# KiCad board alu_c.kicad_pcb (continued)
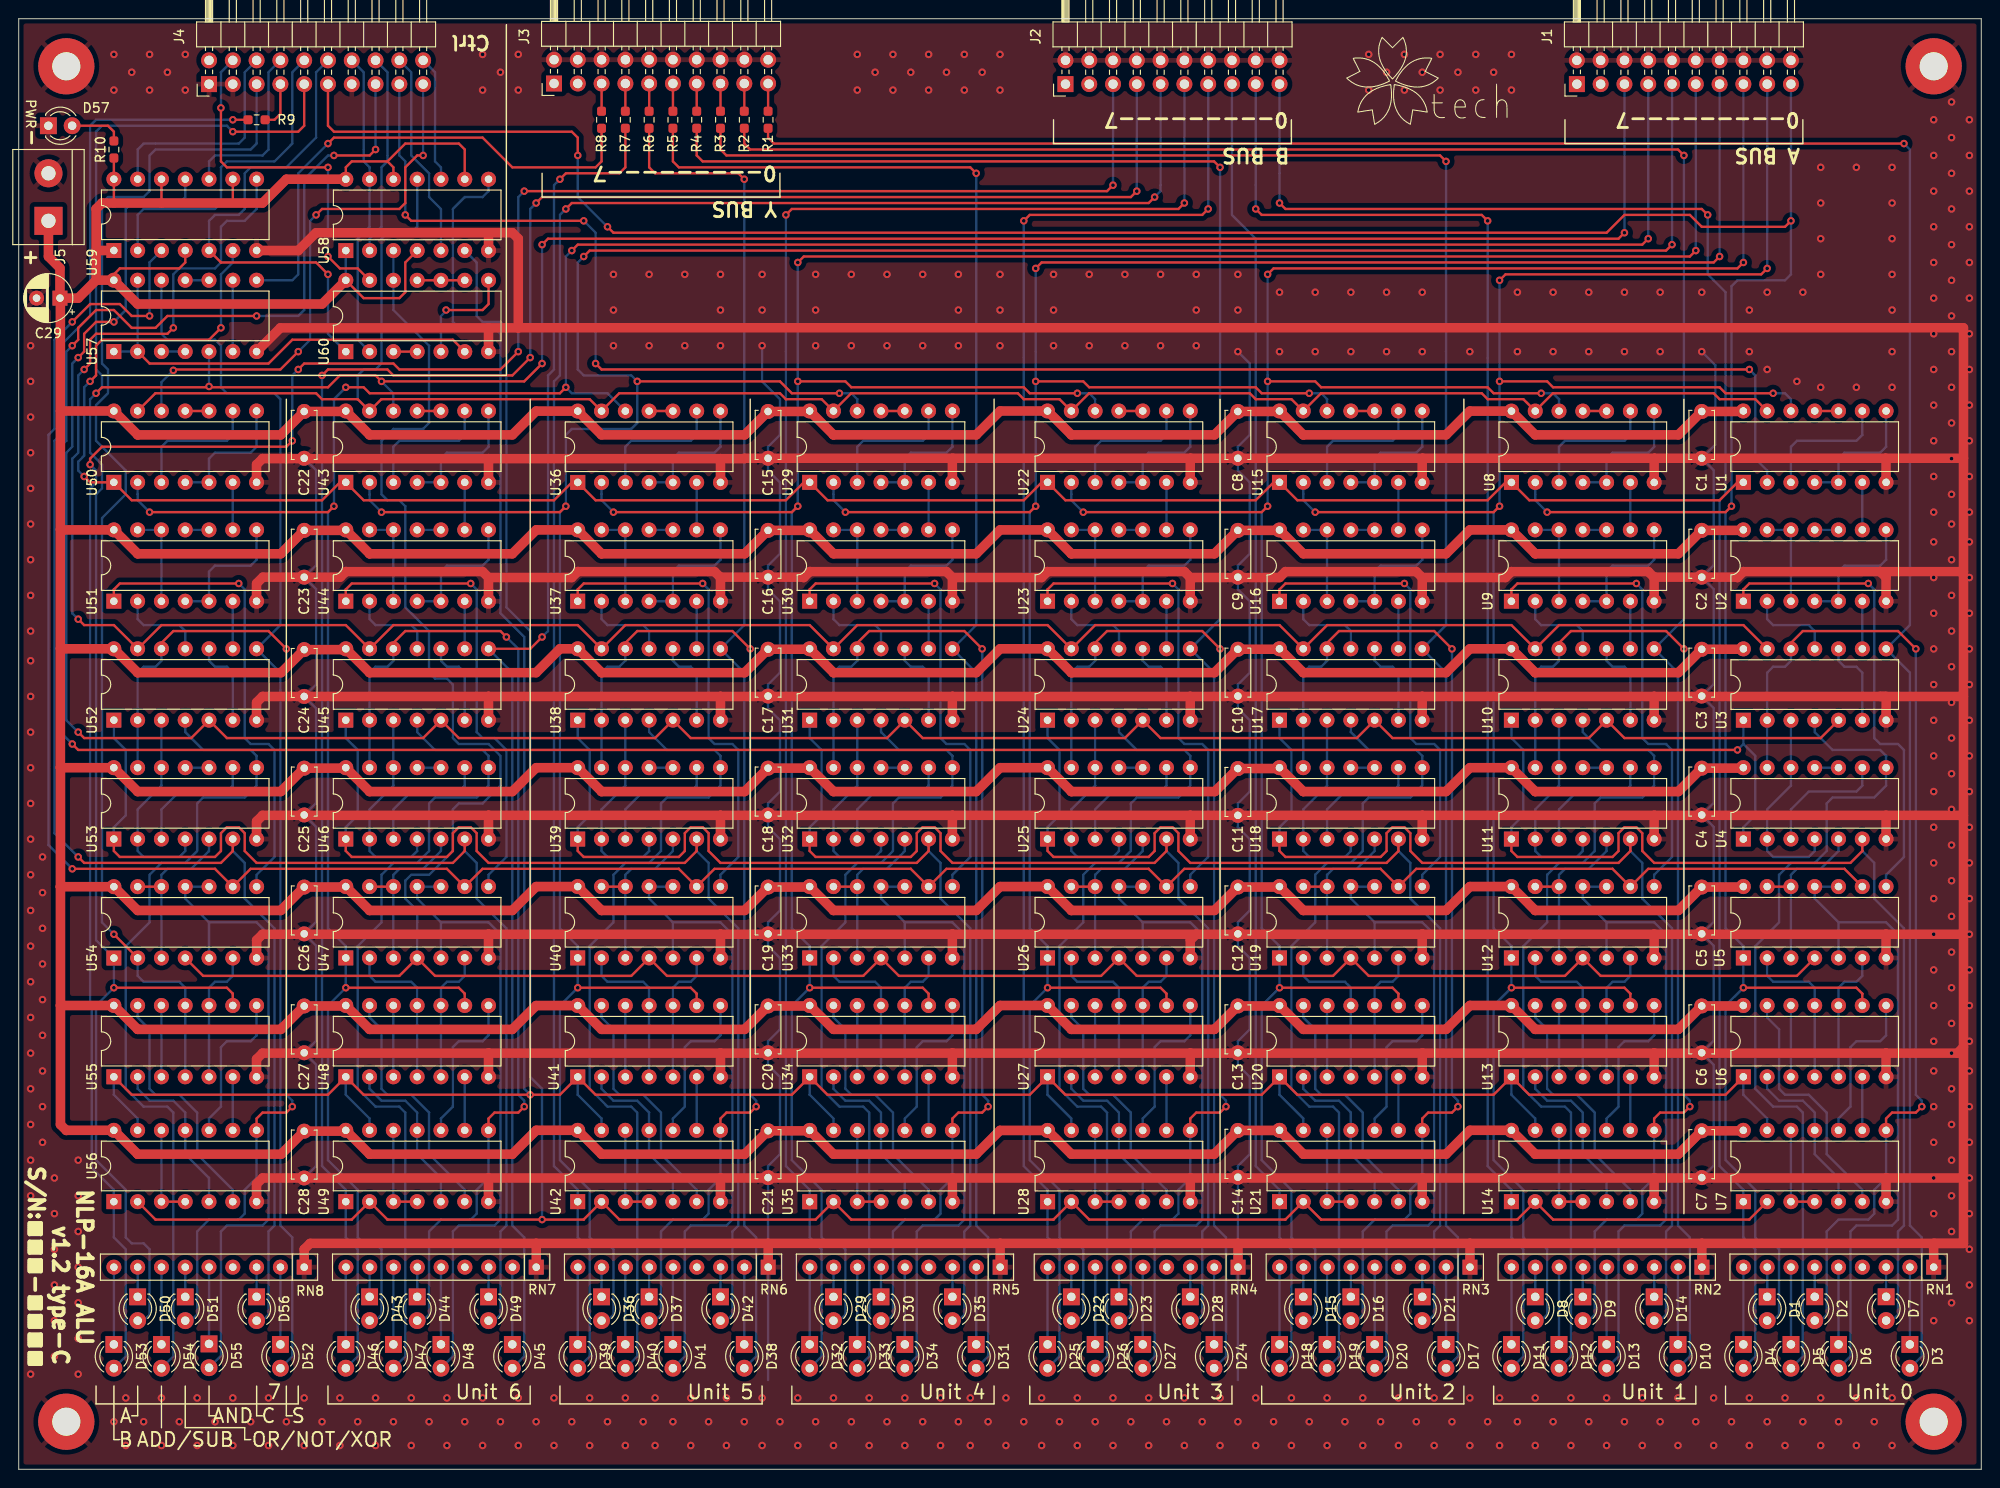
[diagram p0: board, top side]
## Nets (continued)
Net-(U20-Pad6): U20.6 U21.9
Net-(U20-Pad8): U20.8 U21.10
Net-(U20-Pad12): U20.3 U20.12
Net-(U20-Pad13): U20.13 U21.6
Net-(U21-Pad12): U21.3 U21.4 U21.12
Net-(U22-Pad3): U22.3 U22.9
Net-(U22-Pad4): U22.4 U22.5 U22.8
Net-(U22-Pad6): U22.6 U23.9
Net-(U22-Pad10): U22.10 U22.11
Net-(U23-Pad1): U23.1 U26.8
Net-(U23-Pad2): U23.2 U24.11
Net-(U23-Pad4): U23.4 U23.5 U23.8
Net-(U23-Pad6): U23.6 U24.9
Net-(U23-Pad10): U23.10 U23.11
Net-(U23-Pad12): U23.3 U23.12 U23.13
Net-(U24-Pad3): U24.3 U25.2 U25.4 U25.12
Net-(U24-Pad10): U24.6 U24.10
Net-(U25-Pad3): U25.3 U25.9
Net-(U25-Pad5): U25.5 U26.3 U26.12 U26.13
Net-(U25-Pad10): U25.10 U25.11
Net-(U26-Pad6): U26.6 U27.5 U27.10
Net-(U27-Pad2): U27.2 U28.5 U28.11
Net-(U27-Pad6): U27.6 U28.9
Net-(U27-Pad8): U27.8 U28.10
Net-(U27-Pad12): U27.3 U27.12
Net-(U27-Pad13): U27.13 U28.6
Net-(U28-Pad12): U28.3 U28.4 U28.12
Net-(U29-Pad3): U29.3 U29.9
Net-(U29-Pad4): U29.4 U29.5 U29.8
Net-(U29-Pad6): U29.6 U30.9
Net-(U29-Pad10): U29.10 U29.11
Net-(U30-Pad1): U30.1 U33.8
Net-(U30-Pad2): U30.2 U31.11
Net-(U30-Pad4): U30.4 U30.5 U30.8
Net-(U30-Pad6): U30.6 U31.9
Net-(U30-Pad10): U30.10 U30.11
Net-(U30-Pad12): U30.3 U30.12 U30.13
Net-(U31-Pad3): U31.3 U32.2 U32.4 U32.12
Net-(U31-Pad10): U31.6 U31.10
Net-(U32-Pad3): U32.3 U32.9
Net-(U32-Pad5): U32.5 U33.3 U33.12 U33.13
Net-(U32-Pad10): U32.10 U32.11
Net-(U33-Pad6): U33.6 U34.5 U34.10
Net-(U34-Pad2): U34.2 U35.5 U35.11
Net-(U34-Pad6): U34.6 U35.9
Net-(U34-Pad8): U34.8 U35.10
Net-(U34-Pad12): U34.3 U34.12
Net-(U34-Pad13): U34.13 U35.6
Net-(U35-Pad12): U35.3 U35.4 U35.12
Net-(U36-Pad3): U36.3 U36.9
Net-(U36-Pad4): U36.4 U36.5 U36.8
Net-(U36-Pad6): U36.6 U37.9
Net-(U36-Pad10): U36.10 U36.11
Net-(U37-Pad1): U37.1 U40.8
Net-(U37-Pad2): U37.2 U38.11
Net-(U37-Pad4): U37.4 U37.5 U37.8
Net-(U37-Pad6): U37.6 U38.9
Net-(U37-Pad10): U37.10 U37.11
Net-(U37-Pad12): U37.3 U37.12 U37.13
Net-(U38-Pad3): U38.3 U39.2 U39.4 U39.12
Net-(U38-Pad10): U38.6 U38.10
Net-(U39-Pad3): U39.3 U39.9
Net-(U39-Pad5): U39.5 U40.3 U40.12 U40.13
Net-(U39-Pad10): U39.10 U39.11
Net-(U40-Pad6): U40.6 U41.5 U41.10
Net-(U41-Pad2): U41.2 U42.5 U42.11
Net-(U41-Pad6): U41.6 U42.9
Net-(U41-Pad8): U41.8 U42.10
Net-(U41-Pad12): U41.3 U41.12
Net-(U41-Pad13): U41.13 U42.6
Net-(U42-Pad12): U42.3 U42.4 U42.12
Net-(U43-Pad3): U43.3 U43.9
Net-(U43-Pad4): U43.4 U43.5 U43.8
Net-(U43-Pad6): U43.6 U44.9
Net-(U43-Pad10): U43.10 U43.11
Net-(U44-Pad1): U44.1 U47.8
Net-(U44-Pad2): U44.2 U45.11
Net-(U44-Pad4): U44.4 U44.5 U44.8
Net-(U44-Pad6): U44.6 U45.9
Net-(U44-Pad10): U44.10 U44.11
Net-(U44-Pad12): U44.3 U44.12 U44.13
Net-(U45-Pad3): U45.3 U46.2 U46.4 U46.12
Net-(U45-Pad10): U45.6 U45.10
Net-(U46-Pad3): U46.3 U46.9
Net-(U46-Pad5): U46.5 U47.3 U47.12 U47.13
Net-(U46-Pad10): U46.10 U46.11
Net-(U47-Pad6): U47.6 U48.5 U48.10
Net-(U48-Pad2): U48.2 U49.5 U49.11
Net-(U48-Pad6): U48.6 U49.9
Net-(U48-Pad8): U48.8 U49.10
Net-(U48-Pad12): U48.3 U48.12
Net-(U48-Pad13): U48.13 U49.6
Net-(U49-Pad12): U49.3 U49.4 U49.12
Net-(U50-Pad3): U50.3 U50.9
Net-(U50-Pad4): U50.4 U50.5 U50.8
Net-(U50-Pad6): U50.6 U51.9
Net-(U50-Pad10): U50.10 U50.11
Net-(U51-Pad1): U51.1 U54.8
Net-(U51-Pad2): U51.2 U52.11
Net-(U51-Pad4): U51.4 U51.5 U51.8
Net-(U51-Pad6): U51.6 U52.9
Net-(U51-Pad10): U51.10 U51.11
Net-(U51-Pad12): U51.3 U51.12 U51.13
Net-(U52-Pad3): U52.3 U53.2 U53.4 U53.12
Net-(U52-Pad10): U52.6 U52.10
Net-(U53-Pad3): U53.3 U53.9
Net-(U53-Pad5): U53.5 U54.3 U54.12 U54.13
Net-(U53-Pad10): U53.10 U53.11
Net-(U54-Pad6): U54.6 U55.5 U55.10
Net-(U55-Pad2): U55.2 U56.5 U56.11
Net-(U55-Pad6): U55.6 U56.9
Net-(U55-Pad8): U55.8 U56.10
Net-(U55-Pad12): U55.3 U55.12
Net-(U55-Pad13): U55.13 U56.6
Net-(U56-Pad12): U56.3 U56.4 U56.12
Net-(U57-Pad3): U57.3 U57.4
Net-(U57-Pad6): U57.6 U57.9
Net-(U57-Pad10): U57.10 U57.11
Net-(U60-Pad3): U60.3 U60.4
Net-(U60-Pad5): U60.5 U60.8
Net-(U60-Pad10): U60.9 U60.10 U60.11

Pads without a net: J1 1 3; J2 1 3; J3 1 3; J4 2; RN1 4; RN2 4; RN3 4; RN4 4; RN5 4; RN6 4; RN7 4; RN8 4

## Via types
v1: diameter 0.8, hole 0.4, Top to Bottom, 579 vias

## Routing (per net, layer and track width the routed paths; a pad name or vN(x,y) marks a point on that pad's centre or on a via; arc(x,y) is an arc through that point)
GND: length 2359.5
  Top w1.016: U16.7 149.86,95.25 ; 149.86,95.25 149.22,95.89 135.25,95.89 134.62,95.25 125.09,95.25 ; 149.86,95.25 158.75,95.25 159.38,95.89 173.99,95.89 174.62,95.25 174.66,95.29 ; 125.09,69.85 149.86,69.85 ; 125.09,69.85 99.69,69.85 ; 125.09,69.85 125.09,69.84 U25.7 ; 149.86,69.85 174.62,69.85 ; 149.86,69.85 149.85,69.84 U18.7 ; U35.7 99.69,31.12 ; 99.69,31.12 74.93,31.12 ; 99.69,31.12 125.09,31.12 ; 179.7,24.13 179.72,24.12 RN2.1 ; 179.7,24.13 207.64,24.13 ; 179.7,24.13 154.94,24.13 ; U36.7 74.93,107.95 ; 74.93,107.95 50.16,107.95 ; 74.93,107.95 77.47,107.95 77.51,107.99 C15.1 99.73,107.99 ; 207.64,57.15 207.64,45.09 ; 207.64,57.15 207.64,69.85 ; 207.64,57.15 199.39,57.15 ; 207.64,45.09 207.64,31.12 ; 207.64,45.09 207,44.44 199.38,44.44 ; 74.93,31.12 50.16,31.12 ; 74.93,31.12 74.93,31.11 U42.7 ; 50.16,31.12 50.16,31.11 50.16,28.59 ; 50.16,31.12 26.04,31.12 25.4,30.47 U56.7 ; 53.34,121.93 53.35,121.92 50.16,121.92 ; 53.34,121.93 207.64,121.93 ; 53.34,121.93 53.34,131.44 52.71,132.08 50.16,132.08 ; RN4.1 130.19,24.12 130.17,24.13 ; 50.16,41.92 50.16,44.44 50.16,44.45 ; 50.16,107.95 50.16,107.94 50.16,105.42 ; 50.16,107.95 26.03,107.95 25.4,107.31 U50.7 ; 149.86,57.15 149.85,57.14 U19.7 ; 149.86,57.15 125.73,57.15 ; 149.86,57.15 174.62,57.15 ; U7.7 199.38,31.11 199.39,31.12 ; 198.75,82.55 207.64,82.55 ; 198.75,82.55 199.39,82.55 199.39,80.01 ; 198.75,82.55 174.62,82.55 ; 207.64,82.55 207.64,95.89 ; 207.64,82.55 207.64,69.85 ; 207.64,95.89 207.64,107.95 207.6,107.99 ; 207.64,95.89 198.75,95.89 ; 199.38,44.44 199.39,44.45 174.62,44.45 ; 199.38,44.44 U6.7 ; 207.64,69.85 199.39,69.85 ; 198.75,95.89 184.15,95.89 183.51,95.25 183.47,95.29 C2.1 174.66,95.29 ; 198.75,95.89 199.39,95.25 199.38,95.25 U2.7 ; 149.9,107.99 149.85,107.94 U15.7 ; 149.9,107.99 125.13,107.99 ; 149.9,107.99 174.66,107.99 ; 174.62,69.85 174.62,69.84 U11.7 ; 174.62,69.85 199.39,69.85 ; 199.39,31.12 207.64,31.12 ; 199.39,31.12 174.62,31.12 ; 99.69,82.55 99.69,82.55 U31.7 ; 99.69,82.55 74.93,82.55 ; 99.69,82.55 125.09,82.55 ; 50.16,69.85 74.93,69.85 ; 50.16,69.85 50.16,69.84 50.16,67.32 ; 50.16,69.85 26.04,69.85 25.4,69.21 U53.7 ; 74.93,69.85 99.69,69.85 ; 74.93,69.85 74.93,69.84 U39.7 ; U23.7 125.09,95.25 125.09,95.25 ; 50.16,121.92 27.94,121.92 25.41,119.39 ; 50.16,121.92 U60.7 ; 199.39,69.85 199.38,69.84 U4.7 ; RN3.1 154.95,24.12 154.94,24.13 ; 50.16,54.62 50.16,57.14 50.16,57.15 ; U30.7 99.69,95.25 99.69,95.25 ; 207.6,107.99 207.64,108.03 207.64,121.92 ; 207.6,107.99 199.35,107.99 ; 125.13,107.99 99.73,107.99 ; 125.13,107.99 125.09,107.94 U22.7 ; 50.16,95.25 50.16,95.25 50.16,92.72 ; 50.16,95.25 49.53,95.89 34.93,95.89 34.33,95.29 C23.1 26.07,95.29 25.4,94.61 U51.7 ; 50.16,95.25 59.05,95.25 59.69,95.89 74.29,95.89 74.93,95.25 ; 174.62,44.45 149.86,44.45 ; 174.62,44.45 174.62,44.44 U13.7 ; 174.62,57.15 199.39,57.15 ; 174.62,57.15 174.62,57.14 U12.7 ; 199.39,57.15 199.38,57.14 U5.7 ; 207.64,24.13 207.64,31.12 ; 207.64,24.13 204.47,24.13 RN1.1 ; 50.16,132.08 31.75,132.08 29.85,130.19 U59.7 ; 50.16,132.08 U58.7 ; U21.7 149.86,31.12 ; 149.86,31.12 174.62,31.12 ; 149.86,31.12 125.09,31.12 ; 50.16,57.15 74.93,57.15 ; 50.16,57.15 26.04,57.15 25.4,56.52 U54.7 ; 74.93,57.15 99.69,57.15 ; 74.93,57.15 74.93,57.14 U40.7 ; 80.01,24.13 80.03,24.12 RN6.1 ; 80.01,24.13 104.78,24.13 ; 80.01,24.13 55.24,24.13 ; U32.7 99.69,69.84 99.69,69.85 ; U9.7 174.62,95.25 174.66,95.29 ; 99.73,107.99 99.69,107.94 U29.7 ; 154.94,24.13 130.17,24.13 ; U20.7 149.86,44.45 ; 149.86,44.45 125.09,44.45 ; 99.69,57.15 125.73,57.15 ; 99.69,57.15 99.69,57.14 U33.7 ; 125.73,57.15 125.09,56.51 U26.7 ; 74.93,44.45 99.69,44.45 ; 74.93,44.45 50.16,44.45 ; 74.93,44.45 U41.7 ; 99.69,44.45 99.69,44.44 U34.7 ; 99.69,44.45 125.09,44.45 ; U24.7 125.09,82.55 125.09,82.55 ; 125.09,31.12 U28.7 ; 174.66,107.99 199.35,107.99 ; 174.66,107.99 174.62,107.95 U8.7 ; 50.16,82.55 74.93,82.55 ; 50.16,82.55 50.16,82.55 50.16,80.02 ; 50.16,82.55 26.04,82.55 25.4,81.91 U52.7 ; 74.93,82.55 74.93,82.55 U38.7 ; 199.35,107.99 199.39,107.95 199.38,107.94 U1.7 ; 50.16,44.45 26.04,44.45 25.4,43.81 U55.7 ; RN5.1 104.79,24.12 104.78,24.13 ; 125.09,95.25 124.46,95.89 109.85,95.89 109.22,95.25 99.69,95.25 ; 125.09,44.45 125.09,44.44 U27.7 ; RN7.1 55.26,24.12 55.24,24.13 ; 99.69,95.25 99.06,95.89 84.46,95.89 83.82,95.25 83.78,95.29 C16.1 74.97,95.29 74.93,95.25 ; 125.09,82.55 149.86,82.55 ; 55.24,24.13 31.12,24.13 30.48,23.5 RN8.1 ; 149.86,82.55 149.85,82.55 U17.7 ; 149.86,82.55 174.62,82.55 ; U14.7 174.62,31.11 174.62,31.12 ; 130.17,24.13 104.78,24.13 ; 174.62,82.55 174.62,82.55 U10.7 ; 74.93,95.25 74.93,95.25 U37.7
  Bottom w0.25: 130.17,9.53 130.17,32.38 131.44,33.66 131.44,41.91 130.17,43.18 130.17,45.72 131.44,46.99 131.44,54.61 130.17,55.88 130.17,58.42 131.44,59.69 131.44,67.31 130.17,68.58 130.17,71.12 131.44,72.39 131.44,80.01 130.17,81.28 130.17,83.82 131.44,85.09 131.44,92.71 130.17,93.98 130.17,96.52 131.44,97.79 131.44,105.41 130.17,106.68 130.17,109.22 131.44,110.49 131.44,118.11 v1(130.17,119.38) ; C28.1 31.75,32.38 31.75,43.22 C27.1 31.75,45.76 31.75,55.92 C26.1 31.75,58.46 31.75,68.62 C25.1 31.75,71.16 31.75,81.28 C24.1 31.75,83.82 31.75,94.02 C23.1 31.75,96.56 31.75,106.72 C22.1 ; v1(179.7,119.38) 181.16,117.93 181.16,109.44 C1.1 180.97,106.72 180.97,96.56 C2.1 180.97,94.02 180.97,83.86 C3.1 180.97,81.32 180.97,71.16 C4.1 180.97,68.62 180.97,58.46 C5.1 180.97,55.92 180.97,45.76 C6.1 180.97,43.22 180.97,32.43 C7.1 ; 80.01,9.53 80.01,32.38 81.28,33.66 81.28,41.91 80.01,43.18 80.01,45.72 81.28,46.99 81.28,54.61 80.01,55.88 80.01,58.42 81.28,59.69 81.28,67.31 80.01,68.58 80.01,71.12 81.28,72.39 81.28,80.01 80.01,81.28 80.01,83.82 81.28,85.09 81.28,92.71 80.01,93.98 80.01,96.52 81.28,97.79 81.28,105.41 80.01,106.68 80.01,109.22 81.28,110.49 81.28,114.3 79.38,116.2 v1(79.38,120.02)
  vias: v1(1.27,120.02) v1(1.27,116.2) v1(1.27,112.4) v1(1.27,108.58) v1(1.27,104.78) v1(1.27,100.97) v1(1.27,97.16) v1(1.27,93.34) v1(1.27,89.53) v1(1.27,86.36) v1(1.27,82.55) v1(1.27,78.74) v1(1.27,74.93) v1(1.27,71.12) v1(1.27,67.31) v1(1.27,63.5) v1(1.27,59.69) v1(1.27,55.88) v1(1.27,52.07) v1(1.27,48.26) v1(1.27,44.45) v1(1.27,40.64) v1(1.27,36.83) v1(1.27,33.02) v1(1.27,29.21) v1(1.27,25.4) v1(1.27,21.59) v1(1.27,17.78) v1(1.27,13.97) v1(1.27,10.16) v1(2.54,65.41) v1(2.54,61.59) v1(2.54,57.78) v1(2.54,53.97) v1(2.54,50.17) v1(2.54,46.35) v1(2.54,42.54) v1(2.54,38.74) v1(2.54,34.93) v1(3.81,31.12) v1(3.81,27.31) v1(3.81,23.5) v1(3.81,19.69) v1(3.81,15.88) v1(3.81,12.06) v1(6.35,33.02) v1(6.35,29.21) v1(6.35,25.4) v1(6.35,21.59) v1(6.35,17.78) v1(6.35,13.97) v1(6.35,10.16) v1(10.16,151.13) v1(10.16,147.32) v1(10.16,5.08) v1(11.43,7.62) v1(11.43,2.54) v1(12.07,149.22) v1(13.34,5.08) v1(13.97,151.13) v1(13.97,147.32) v1(15.24,7.62) v1(15.24,2.54) v1(15.88,149.22) v1(17.15,5.08) v1(17.78,151.13) v1(17.78,147.32) v1(19.05,7.62) v1(19.05,2.54) v1(20.95,5.08) v1(22.86,7.62) v1(22.86,2.54) v1(24.77,5.08) v1(26.67,7.62) v1(26.67,2.54) v1(28.57,5.08) v1(30.48,7.62) v1(30.48,2.54) v1(32.38,5.08) v1(34.29,7.62) v1(34.29,2.54) v1(36.2,5.08) v1(38.1,7.62) v1(38.1,2.54) v1(40.01,5.08) v1(41.91,7.62) v1(41.91,2.54) v1(43.82,5.08) v1(45.72,7.62) v1(45.72,2.54) v1(47.63,5.08) v1(49.53,151.13) v1(49.53,147.32) v1(49.53,7.62) v1(49.53,2.54) v1(51.43,149.22) v1(51.43,5.08) v1(53.34,151.13) v1(53.34,147.32) v1(53.34,7.62) v1(53.34,2.54) v1(55.24,5.08) v1(57.15,7.62) v1(57.15,2.54) v1(59.05,5.08) v1(60.96,7.62) v1(60.96,2.54) v1(62.87,5.08) v1(63.5,127.63) v1(63.5,123.83) v1(63.5,120.02) v1(64.77,7.62) v1(64.77,2.54) v1(66.68,5.08) v1(67.31,127.63) v1(67.31,120.02) v1(67.94,7.62) v1(67.94,2.54) v1(69.85,5.08) v1(71.12,127.63) v1(71.12,120.02) v1(71.75,7.62) v1(71.75,2.54) v1(73.66,5.08) v1(74.93,127.63) v1(74.93,123.83) v1(74.93,120.02) v1(75.56,7.62) v1(75.56,2.54) v1(77.47,5.08) v1(79.38,127.63) v1(79.38,123.83) v1(79.38,7.62) v1(79.38,2.54) v1(81.28,5.08) v1(83.19,7.62) v1(83.19,2.54) v1(85.09,127.63) v1(85.09,123.83) v1(85.09,120.02) v1(85.09,5.08) v1(87,7.62) v1(87,2.54) v1(88.9,127.63) v1(88.9,120.02) v1(88.9,5.08) v1(89.53,151.13) v1(89.53,147.32) v1(90.81,7.62) v1(90.81,2.54) v1(91.44,149.22) v1(92.71,127.63) v1(92.71,120.02) v1(92.71,5.08) v1(93.34,151.13) v1(93.34,147.32) v1(94.61,7.62) v1(94.61,2.54) v1(95.25,149.22) v1(96.52,127.63) v1(96.52,120.02) v1(96.52,5.08) v1(97.16,151.13) v1(97.16,147.32) v1(98.42,7.62) v1(98.42,2.54) v1(99.06,149.22) v1(100.33,127.63) v1(100.33,123.83) v1(100.33,120.02) v1(100.33,5.08) v1(100.97,151.13) v1(100.97,147.32) v1(101.6,7.62) v1(101.6,2.54) v1(102.87,149.22) v1(103.5,5.08) v1(104.78,151.13) v1(104.78,147.32) v1(104.78,127.63) v1(104.78,123.83) v1(104.78,120.02) v1(105.41,7.62) v1(105.41,2.54) v1(107.31,5.08) v1(109.22,7.62) v1(109.22,2.54) v1(110.49,127.63) v1(110.49,123.83) v1(110.49,120.02) v1(111.12,5.08) v1(113.03,7.62) v1(113.03,2.54) v1(114.3,127.63) v1(114.3,120.02) v1(114.94,5.08) v1(116.84,7.62) v1(116.84,2.54) v1(118.11,127.63) v1(118.11,120.02) v1(118.75,5.08) v1(120.65,7.62) v1(120.65,2.54) v1(121.92,127.63) v1(121.92,120.02) v1(122.56,5.08) v1(124.46,7.62) v1(124.46,2.54) v1(125.73,127.63) v1(125.73,123.83) v1(125.73,120.02) v1(126.36,5.08) v1(128.27,7.62) v1(128.27,2.54) v1(130.17,127.63) v1(130.17,123.83) v1(130.17,5.08) v1(132.08,7.62) v1(132.08,2.54) v1(133.98,5.08) v1(134.62,125.73) v1(134.62,119.38) v1(135.89,7.62) v1(135.89,2.54) v1(137.79,5.08) v1(138.43,125.73) v1(138.43,119.38) v1(139.7,7.62) v1(139.7,2.54) v1(141.6,5.08) v1(142.24,125.73) v1(142.24,119.38) v1(143.51,7.62) v1(143.51,2.54) v1(144.14,151.13) v1(144.14,147.32) v1(145.41,5.08) v1(146.05,149.22) v1(146.05,125.73) v1(146.05,119.38) v1(147.32,7.62) v1(147.32,2.54) v1(147.95,151.13) v1(147.95,147.32) v1(149.22,5.08) v1(149.86,149.22) v1(149.86,125.73) v1(149.86,119.38) v1(151.13,7.62) v1(151.13,2.54) v1(151.76,151.13) v1(151.76,147.32) v1(153.03,5.08) v1(153.67,149.22) v1(154.94,119.38) v1(154.94,7.62) v1(154.94,2.54) v1(155.57,151.13) v1(155.57,147.32) v1(156.84,5.08) v1(157.48,149.22) v1(158.11,7.62) v1(158.11,2.54) v1(159.38,151.13) v1(159.38,147.32) v1(160.02,125.73) v1(160.02,119.38) v1(160.02,5.08) v1(161.92,7.62) v1(161.92,2.54) v1(163.83,125.73) v1(163.83,119.38) v1(163.83,5.08) v1(165.73,7.62) v1(165.73,2.54) v1(167.64,125.73) v1(167.64,119.38) v1(167.64,5.08) v1(169.54,7.62) v1(169.54,2.54) v1(171.45,125.73) v1(171.45,119.38) v1(171.45,5.08) v1(173.35,7.62) v1(173.35,2.54) v1(175.26,125.73) v1(175.26,119.38) v1(175.26,5.08) v1(177.16,7.62) v1(177.16,2.54) v1(179.07,5.08) v1(179.7,125.73) v1(180.97,7.62) v1(180.97,2.54) v1(182.88,5.08) v1(184.78,123.83) v1(184.78,119.38) v1(184.78,7.62) v1(184.78,2.54) v1(186.69,125.73) v1(186.69,117.47) v1(186.69,5.08) v1(188.59,7.62) v1(188.59,2.54) v1(189.86,116.2) v1(190.5,125.73) v1(190.5,5.08) v1(192.41,139.06) v1(192.41,135.25) v1(192.41,131.44) v1(192.41,127.63) v1(192.41,115.57) v1(192.41,7.62) v1(192.41,2.54) v1(194.31,5.08) v1(196.22,139.06) v1(196.22,115.57) v1(196.22,7.62) v1(196.22,2.54) v1(198.12,5.08) v1(200.03,139.06) v1(200.03,135.25) v1(200.03,131.44) v1(200.03,127.63) v1(200.03,123.83) v1(200.03,119.38) v1(200.03,115.57) v1(200.03,7.62) v1(200.03,2.54) v1(204.47,144.15) v1(204.47,140.34) v1(204.47,136.53) v1(204.47,132.72) v1(204.47,128.91) v1(204.47,125.09) v1(204.47,121.28) v1(204.47,117.47) v1(204.47,113.66) v1(204.47,109.86) v1(204.47,106.05) v1(204.47,102.23) v1(204.47,99.06) v1(204.47,95.25) v1(204.47,91.44) v1(204.47,87.63) v1(204.47,83.82) v1(204.47,80.01) v1(204.47,76.2) v1(204.47,72.39) v1(204.47,68.58) v1(204.47,64.77) v1(204.47,60.96) v1(204.47,57.15) v1(204.47,53.34) v1(204.47,49.53) v1(204.47,45.72) v1(204.47,42.54) v1(204.47,38.74) v1(204.47,34.93) v1(204.47,31.12) v1(204.47,27.31) v1(204.47,15.88) v1(206.38,146.05) v1(206.38,142.24) v1(206.38,138.43) v1(206.38,134.62) v1(206.38,130.81) v1(206.38,127) v1(206.38,123.19) v1(206.38,119.38) v1(206.38,115.57) v1(206.38,111.76) v1(206.38,107.95) v1(206.38,104.14) v1(206.38,100.97) v1(206.38,97.16) v1(206.38,93.34) v1(206.38,89.53) v1(206.38,85.72) v1(206.38,81.92) v1(206.38,78.11) v1(206.38,74.3) v1(206.38,70.48) v1(206.38,66.67) v1(206.38,62.86) v1(206.38,59.06) v1(206.38,55.25) v1(206.38,51.44) v1(206.38,47.62) v1(206.38,44.45) v1(206.38,40.64) v1(206.38,36.83) v1(206.38,33.02) v1(206.38,29.21) v1(206.38,25.4) v1(206.38,17.78) v1(208.28,144.15) v1(208.28,140.34) v1(208.28,136.53) v1(208.28,132.72) v1(208.28,128.91) v1(208.28,125.09) v1(208.28,121.28) v1(208.28,117.47) v1(208.28,113.66) v1(208.28,109.86) v1(208.28,106.05) v1(208.28,102.23) v1(208.28,99.06) v1(208.28,95.25) v1(208.28,91.44) v1(208.28,87.63) v1(208.28,83.82) v1(208.28,80.01) v1(208.28,76.2) v1(208.28,72.39) v1(208.28,68.58) v1(208.28,64.77) v1(208.28,60.96) v1(208.28,57.15) v1(208.28,53.34) v1(208.28,49.53) v1(208.28,45.72) v1(208.28,42.54) v1(208.28,38.74) v1(208.28,34.93) v1(208.28,31.12) v1(208.28,27.31) v1(208.28,23.5) v1(208.28,19.69) v1(208.28,15.88)
VCC: length 1587.1
  Top w0.25: U58.9 47.63,140.97 46.99,141.6 41.27,141.6 39.37,139.7 ; 39.37,139.7 40.01,139.06 U58.12 ; 39.37,139.7 35.56,139.7 34.93,139.06 U58.14
  Top w0.254: U57.14 10.16,127.63 10.8,128.27 17.15,128.27 17.78,128.91 U59.4 ; U60.14 36.83,125.09 40.64,125.09 41.27,125.73 41.27,128.91 U58.4 ; 10.16,135.25 U59.14 R10.1 ; U59.12 15.24,135.25 ; U59.9 22.86,135.25 24.13,135.25
  Top w1.016: C29.1 6.35,125.09 8.27,127.01 ; C29.1 4.45,125.06 4.45,74.95 4.45,74.94 ; C29.1 4.41,128.31 3.18,129.54 J5.1 ; 4.45,100.34 U51.14 12.7,97.8 12.7,97.79 27.98,97.79 C23.2 34.87,100.29 U44.14 37.46,97.8 37.46,97.79 52.71,97.79 55.26,100.34 U37.14 62.23,97.8 62.23,97.79 77.51,97.79 C16.2 84.4,100.29 U30.14 87,97.79 102.23,97.79 104.78,100.34 U23.14 112.39,97.8 112.39,97.79 127.67,97.79 C9.2 134.58,100.29 U16.14 137.16,97.79 152.4,97.79 154.95,100.34 U9.14 161.92,97.8 161.92,97.79 177.2,97.79 C2.2 184.09,100.29 U2.14 ; 184.15,87.63 184.11,87.59 C3.2 177.2,85.09 161.92,85.09 161.92,85.09 U10.14 154.95,87.64 152.4,85.09 137.16,85.09 137.16,85.09 U17.14 134.56,87.59 C10.2 127.67,85.09 112.39,85.09 112.39,85.09 U24.14 104.78,87.64 102.23,85.09 87,85.09 87,85.09 U31.14 84.4,87.59 C17.2 77.51,85.09 62.23,85.09 62.23,85.09 U38.14 57.79,87.64 55.24,85.09 37.46,85.09 37.46,85.09 U45.14 34.83,87.55 C24.2 28.02,85.09 12.7,85.09 12.7,85.09 U52.14 4.45,87.64 ; U4.14 184.09,74.89 C4.2 177.2,72.39 161.92,72.39 161.92,72.39 U11.14 154.95,74.94 152.4,72.39 137.16,72.39 137.16,72.39 U18.14 134.53,74.85 C11.2 127.72,72.39 112.39,72.39 112.39,72.39 U25.14 104.78,74.94 102.23,72.39 87,72.39 87,72.39 U32.14 84.4,74.89 C18.2 77.51,72.39 62.23,72.39 62.23,72.39 U39.14 55.26,74.94 52.71,72.39 37.46,72.39 37.46,72.39 U46.14 34.87,74.89 C25.2 27.98,72.39 12.7,72.39 12.7,72.39 U53.14 4.45,74.94 ; 8.27,134.63 8.27,130.16 ; 8.27,130.16 8.29,130.19 U59.1 ; 8.27,130.16 8.27,127.01 ; U60.14 32.39,124.47 12.7,124.47 U57.14 8.27,127.01 ; 4.45,74.94 4.45,62.22 ; U58.14 28.57,137.8 26.04,135.25 8.89,135.25 8.26,134.62 ; U5.14 184.09,62.19 C5.2 177.2,59.69 161.92,59.69 161.92,59.69 U12.14 154.95,62.24 152.4,59.69 137.16,59.69 137.16,59.69 U19.14 134.56,62.19 C12.2 127.67,59.69 112.39,59.69 112.39,59.69 U26.14 104.78,62.24 102.23,59.69 87,59.69 87,59.69 U33.14 84.4,62.19 C19.2 77.51,59.69 62.23,59.69 62.23,59.69 U40.14 55.26,62.24 52.71,59.69 37.46,59.69 37.46,59.69 U47.14 34.87,62.19 C26.2 27.98,59.69 12.7,59.69 U54.14 4.45,62.23 4.45,62.22 ; 4.45,113.04 U50.14 12.7,110.5 12.7,110.49 27.98,110.49 C22.2 34.87,112.99 U43.14 37.46,110.5 37.46,110.49 52.71,110.49 55.24,113.03 U36.14 62.23,110.49 77.51,110.49 C15.2 84.4,112.99 U29.14 87,110.5 87,110.49 102.23,110.49 104.78,113.04 U22.14 112.39,110.5 112.39,110.49 127.67,110.49 C8.2 134.56,112.99 U15.14 137.16,110.5 137.16,110.49 152.4,110.49 154.94,113.03 U8.14 161.92,110.49 177.2,110.49 C1.2 184.09,112.99 U1.14 ; 184.14,49.54 184.09,49.49 179.7,49.49 177.2,46.99 161.92,46.99 161.92,47 159.38,49.54 154.95,49.54 152.4,46.99 137.16,46.99 U20.14 134.58,49.49 130.17,49.49 127.67,46.99 112.39,46.99 112.39,47 109.85,49.54 104.78,49.54 102.23,46.99 87,46.99 84.45,49.54 84.4,49.49 80.01,49.49 77.51,46.99 62.23,46.99 U41.14 55.24,49.53 52.71,46.99 37.46,46.99 37.46,47 34.92,49.54 34.87,49.49 30.48,49.49 27.98,46.99 12.7,46.99 12.7,47 10.16,49.54 4.45,49.54 ; U7.14 184.09,36.16 C7.2 177.2,33.66 161.92,33.66 161.92,33.66 U14.14 154.95,36.21 152.4,33.66 137.16,33.66 137.16,33.66 U21.14 134.61,36.19 C14.2 127.63,33.66 112.39,33.66 U28.14 104.78,36.19 102.23,33.66 87,33.66 U35.14 84.41,36.16 C21.2 77.51,33.66 62.23,33.66 62.23,33.66 U42.14 55.26,36.21 52.71,33.66 37.46,33.66 37.46,33.66 U49.14 34.83,36.12 C28.2 28.02,33.66 12.7,33.66 12.7,33.66 U56.14 5.09,36.21 5.08,36.19 4.45,36.82 4.45,49.54 ; 4.45,49.54 4.45,62.22
  Bottom w0.25: U58.1 U60.14
/ALUv7-No.1/ADD/SUB: length 89.3
  Bottom w0.254: 191.77,80.01 191.77,78.74 193.67,76.83 198.75,76.83 199.39,76.2 199.38,76.19 U4.8 199.38,73.02 198.12,71.75 193.67,71.75 193.04,71.12 193.04,66.04 191.77,64.77 189.23,64.77 187.96,63.5 187.96,58.42 185.42,55.88 185.42,40.64 187.32,38.74 189.86,38.74 190.5,38.1 190.5,12.06 D5.2
/ALUv7-No.1/AND: length 69.3
  Bottom w0.254: 194.31,58.42 194.31,58.42 194.31,54.61 ; 194.31,58.42 191.76,60.97 191.76,62.23 194.31,62.23 ; 194.31,58.42 199.39,58.42 200.66,57.15 200.66,26.67 200.03,26.03 196.22,26.03 195.58,25.4 195.58,12.06 D6.2
/ALUv7-No.1/B_sign: length 17
  Bottom w0.254: 186.69,54.61 186.69,52.71 187.32,52.07 191.13,52.07 191.77,51.44 191.76,51.43 191.76,41.91
/ALUv7-No.1/carry_out: length 114.1
  Top w0.254: U4.6 196.84,66.05 196.85,66.04 195.58,64.77 174.62,64.77 173.35,66.04 173.35,67.94 172.72,68.58 171.45,68.58 170.81,67.94 170.81,66.04 170.18,65.41 160.02,65.41 159.38,66.05 U11.1 ; 196.84,66.68 196.85,66.67
  Bottom w0.254: 199.39,15.88 200.03,15.88 200.66,16.51 200.66,25.4 201.29,26.03 201.29,57.78 198.12,60.96 198.12,64.77 196.84,66.05 U4.6 ; U11.1 159.38,68.58 160.66,69.85 160.66,76.83 159.38,78.11 159.38,80.01
/ALUv7-No.1/OR/NOT/XOR: length 110.2
  Top w0.254: v1(203.2,38.74) 202.56,38.1 200.03,38.1 199.38,37.46 U7.8 ; v1(202.56,87.63) 200.66,89.53 190.5,89.53 189.23,88.27 189.23,87.63
  Bottom w0.254: v1(202.56,87.63) 202.56,40 203.2,39.37 v1(203.2,38.74) ; U7.8 199.38,31.12 199.39,31.12 198.12,29.84 198.12,27.31 197.48,26.67 194.31,26.67 193.04,25.4 193.04,16.51 192.41,15.88 191.77,15.88 ; 189.23,87.63 189.23,86.36 188.59,85.72 187.32,85.72 186.69,85.08 U4.13
/ALUv7-No.2/ADD/SUB: length 89.3
  Bottom w0.254: D12.2 165.73,12.06 165.73,38.1 165.1,38.74 162.56,38.74 160.66,40.64 160.66,55.88 163.19,58.42 163.19,63.5 164.47,64.77 167,64.77 168.28,66.04 168.28,71.12 168.91,71.75 173.35,71.75 174.62,73.02 U11.8 174.62,76.19 174.62,76.2 173.99,76.83 168.91,76.83 167,78.74 167,80.01
/ALUv7-No.2/AND: length 69.3
  Bottom w0.254: 169.54,62.23 167,62.23 167,60.97 169.54,58.42 ; 169.54,58.42 169.54,58.42 169.54,54.61 ; 169.54,58.42 174.62,58.42 175.89,57.15 175.89,26.67 175.26,26.03 171.45,26.03 170.81,25.4 170.81,12.06 D13.2
/ALUv7-No.2/B_sign: length 17
  Bottom w0.254: 161.92,54.61 161.92,52.71 162.56,52.07 166.37,52.07 167,51.44 167,51.43 167,41.91
/ALUv7-No.2/carry_out: length 114.1
  Top w0.254: U11.6 172.08,66.05 172.09,66.04 170.81,64.77 149.86,64.77 148.59,66.04 148.59,67.94 147.95,68.58 146.69,68.58 146.05,67.94 146.05,66.04 145.41,65.41 135.25,65.41 134.61,66.05 U18.1 ; 172.08,66.68 172.09,66.67
  Bottom w0.254: D14.2 175.26,15.88 175.89,16.51 175.89,25.4 176.53,26.03 176.53,57.78 173.35,60.96 173.35,64.77 172.08,66.05 U11.6 ; 134.62,80.01 134.62,78.11 135.89,76.83 135.89,69.85 134.61,68.58 U18.1
/ALUv7-No.2/OR/NOT/XOR: length 110.2
  Top w0.254: 164.47,87.63 164.47,88.27 165.73,89.53 175.89,89.53 v1(177.8,87.63) ; v1(178.44,38.74) 177.8,38.1 175.26,38.1 174.62,37.46 U14.8
  Bottom w0.254: U14.8 174.62,31.12 174.62,31.12 173.35,29.84 173.35,27.31 172.72,26.67 169.54,26.67 168.28,25.4 168.28,16.51 167.64,15.88 D9.2 ; v1(178.44,38.74) 178.44,39.37 177.8,40 v1(177.8,87.63) ; U11.13 161.92,85.08 162.56,85.72 163.83,85.72 164.47,86.36 164.47,87.63
/ALUv7-No.3/ADD/SUB: length 89.3
  Bottom w0.254: D19.2 140.97,12.06 140.97,38.1 140.34,38.74 137.79,38.74 135.89,40.64 135.89,55.88 138.43,58.42 138.43,63.5 139.7,64.77 142.24,64.77 143.51,66.04 143.51,71.12 144.14,71.75 148.59,71.75 149.85,73.02 U18.8 149.85,76.19 149.86,76.2 149.22,76.83 144.14,76.83 142.24,78.74 142.24,80.01
/ALUv7-No.3/AND: length 69.3
  Bottom w0.254: 144.78,62.23 142.23,62.23 142.23,60.97 144.78,58.42 ; 144.78,58.42 149.86,58.42 151.13,57.15 151.13,26.67 150.5,26.03 146.69,26.03 146.05,25.4 146.05,12.06 D20.2 ; 144.78,58.42 144.78,58.42 144.78,54.61
/ALUv7-No.3/B_sign: length 17
  Bottom w0.254: 137.16,54.61 137.16,52.71 137.79,52.07 141.6,52.07 142.24,51.44 142.23,51.43 142.23,41.91
/ALUv7-No.3/carry_out: length 114.1
  Top w0.254: 147.31,66.68 147.32,66.67 ; U18.6 147.31,66.05 147.32,66.04 146.05,64.77 125.09,64.77 123.82,66.04 123.82,67.94 123.19,68.58 121.92,68.58 121.28,67.94 121.28,66.04 120.65,65.41 110.49,65.41 109.85,66.05 U25.1
  Bottom w0.254: 109.85,80.01 109.85,78.11 111.12,76.83 111.12,69.85 109.85,68.58 U25.1 ; D21.2 150.5,15.88 151.13,16.51 151.13,25.4 151.76,26.03 151.76,57.78 148.59,60.96 148.59,64.77 147.31,66.05 U18.6
/ALUv7-No.3/OR/NOT/XOR: length 110.2
  Top w0.254: 139.7,87.63 139.7,88.27 140.97,89.53 151.13,89.53 v1(153.03,87.63) ; v1(153.67,38.74) 153.03,38.1 150.5,38.1 149.85,37.46 149.85,36.21
  Bottom w0.254: 142.24,15.88 142.88,15.88 143.51,16.51 143.51,25.4 144.78,26.67 147.95,26.67 148.59,27.31 148.59,29.84 149.86,31.12 149.85,31.12 149.85,36.21 ; 139.7,87.63 139.7,86.36 139.06,85.72 137.79,85.72 137.16,85.08 U18.13 ; v1(153.67,38.74) 153.67,39.37 153.03,40 v1(153.03,87.63)
/ALUv7-No.4/ADD/SUB: length 89.3
  Bottom w0.254: D26.2 116.2,12.06 116.2,38.1 115.57,38.74 113.03,38.74 111.12,40.64 111.12,55.88 113.66,58.42 113.66,63.5 114.94,64.77 117.47,64.77 118.75,66.04 118.75,71.12 119.38,71.75 123.82,71.75 125.09,73.02 U25.8 125.09,76.19 125.09,76.2 124.46,76.83 119.38,76.83 117.47,78.74 117.47,80.01
/ALUv7-No.4/AND: length 69.3
  Bottom w0.254: 120.01,58.42 120.01,58.42 120.01,54.61 ; 120.01,58.42 125.09,58.42 126.36,57.15 126.36,26.67 125.73,26.03 121.92,26.03 121.28,25.4 121.28,12.06 D27.2 ; 120.01,58.42 117.47,60.97 117.47,62.23 120.01,62.23
/ALUv7-No.4/B_sign: length 17
  Bottom w0.254: 117.47,41.91 117.47,51.43 117.47,51.44 116.84,52.07 113.03,52.07 112.39,52.71 112.39,54.61
/ALUv7-No.4/carry_out: length 114.8
  Top w0.254: U32.1 84.45,66.05 85.09,65.41 95.25,65.41 95.88,66.04 95.88,67.94 96.52,68.58 97.79,68.58 98.42,67.94 98.42,66.04 99.69,64.77 121.28,64.77 122.56,66.04 122.55,66.05 U25.6 ; 122.55,66.68 122.56,66.67
  Bottom w0.254: U25.6 122.55,66.05 123.82,64.77 123.82,60.96 127,57.78 127,26.03 126.36,25.4 126.36,16.51 125.73,15.88 D28.2 ; 84.46,80.01 84.46,78.11 85.72,76.83 85.72,69.85 84.45,68.58 U32.1
/ALUv7-No.4/OR/NOT/XOR: length 110.2
  Top w0.254: v1(128.27,87.63) 126.36,89.53 116.2,89.53 114.94,88.27 114.94,87.63 ; 125.09,36.21 125.09,37.46 125.73,38.1 128.27,38.1 v1(128.91,38.74)
  Bottom w0.254: v1(128.91,38.74) 128.91,39.37 128.27,40 v1(128.27,87.63) ; D23.2 118.11,15.88 118.75,16.51 118.75,25.4 120.01,26.67 123.19,26.67 123.82,27.31 123.82,29.84 125.09,31.12 125.09,31.12 125.09,36.21 ; 114.94,87.63 114.94,86.36 114.3,85.72 113.03,85.72 112.39,85.08 U25.13
/ALUv7-No.5/ADD/SUB: length 89.3
  Bottom w0.254: D33.2 90.81,12.06 90.81,38.1 90.17,38.74 87.63,38.74 85.72,40.64 85.72,55.88 88.26,58.42 88.26,63.5 89.53,64.77 92.07,64.77 93.34,66.04 93.34,71.12 93.98,71.75 98.42,71.75 99.69,73.02 U32.8 99.69,76.19 99.69,76.2 99.06,76.83 93.98,76.83 92.07,78.74 92.07,80.01
/ALUv7-No.5/AND: length 69.3
  Bottom w0.254: 94.61,58.42 92.07,60.97 92.07,62.23 94.61,62.23 ; 94.61,58.42 94.61,58.42 94.61,54.61 ; 94.61,58.42 99.69,58.42 100.97,57.15 100.97,26.67 100.33,26.03 96.52,26.03 95.88,25.4 95.88,12.06 D34.2
/ALUv7-No.5/B_sign: length 17
  Bottom w0.254: 92.07,41.91 92.07,51.43 92.07,51.44 91.44,52.07 87.63,52.07 86.99,52.71 86.99,54.61
/ALUv7-No.5/carry_out: length 114.1
  Top w0.254: U39.1 59.68,66.05 60.32,65.41 70.49,65.41 71.12,66.04 71.12,67.94 71.75,68.58 73.03,68.58 73.66,67.94 73.66,66.04 74.93,64.77 95.88,64.77 97.16,66.04 97.15,66.05 U32.6 ; 97.15,66.68 97.16,66.67
  Bottom w0.254: 59.69,80.01 59.69,78.11 60.96,76.83 60.96,69.85 59.68,68.58 U39.1 ; U32.6 97.15,66.05 98.42,64.77 98.42,60.96 101.6,57.78 101.6,26.03 100.97,25.4 100.97,16.51 100.34,15.88 D35.2
/ALUv7-No.5/OR/NOT/XOR: length 110.2
  Top w0.254: v1(103.5,38.74) 102.87,38.1 100.33,38.1 99.69,37.46 99.69,36.21 ; v1(102.87,87.63) 100.97,89.53 90.81,89.53 89.53,88.27 89.53,87.63
  Bottom w0.254: U32.13 86.99,85.08 87.63,85.72 88.9,85.72 89.53,86.36 89.53,87.63 ; v1(103.5,38.74) 103.5,39.37 102.87,40 v1(102.87,87.63) ; 99.69,36.21 99.69,31.12 99.69,31.12 98.42,29.84 98.42,27.31 97.79,26.67 94.61,26.67 93.34,25.4 93.34,16.51 92.71,15.88 D30.2
/ALUv7-No.6/ADD/SUB: length 89.3
  Bottom w0.254: D40.2 66.04,12.06 66.04,38.1 65.41,38.74 62.87,38.74 60.96,40.64 60.96,55.88 63.5,58.42 63.5,63.5 64.77,64.77 67.31,64.77 68.58,66.04 68.58,71.12 69.22,71.75 73.66,71.75 74.93,73.02 U39.8 74.93,76.19 74.93,76.2 74.29,76.83 69.22,76.83 67.31,78.74 67.31,80.01
/ALUv7-No.6/AND: length 69.3
  Bottom w0.254: 69.85,58.42 67.31,60.97 67.31,62.23 69.84,62.23 ; 69.85,58.42 69.84,58.42 69.84,54.61 ; 69.85,58.42 74.93,58.42 76.2,57.15 76.2,26.67 75.56,26.03 71.75,26.03 71.12,25.4 71.12,12.06 D41.2
/ALUv7-No.6/B_sign: length 17
  Bottom w0.254: 67.31,41.91 67.31,51.43 67.31,51.44 66.68,52.07 62.87,52.07 62.23,52.71 62.23,54.61
/ALUv7-No.6/carry_out: length 114.1
  Top w0.254: 72.38,66.68 72.39,66.67 ; U39.6 72.38,66.05 72.39,66.04 71.12,64.77 50.16,64.77 48.9,66.04 48.9,67.94 48.26,68.58 46.99,68.58 46.35,67.94 46.35,66.04 45.72,65.41 35.56,65.41 34.92,66.05 U46.1
  Bottom w0.254: 34.93,80.01 34.93,78.11 36.2,76.83 36.2,69.85 34.92,68.58 U46.1 ; D42.2 75.57,15.88 76.2,16.51 76.2,25.4 76.84,26.03 76.84,57.78 73.66,60.96 73.66,64.77 72.38,66.05 U39.6
/ALUv7-No.6/OR/NOT/XOR: length 110.2
  Top w0.254: U42.8 74.93,37.46 75.56,38.1 78.1,38.1 v1(78.74,38.74) ; v1(78.1,87.63) 76.2,89.53 66.04,89.53 64.77,88.27 64.77,87.63
  Bottom w0.254: 64.77,87.63 64.77,86.36 64.13,85.72 62.87,85.72 62.23,85.08 U39.13 ; D37.2 67.94,15.88 68.58,16.51 68.58,25.4 69.85,26.67 73.03,26.67 73.66,27.31 73.66,29.84 74.93,31.12 74.93,31.12 U42.8 ; v1(78.74,38.74) 78.74,39.37 78.1,40 v1(78.1,87.63)
